# Altium PCB PCB1.PcbDoc (part 1 of 2) (continued)
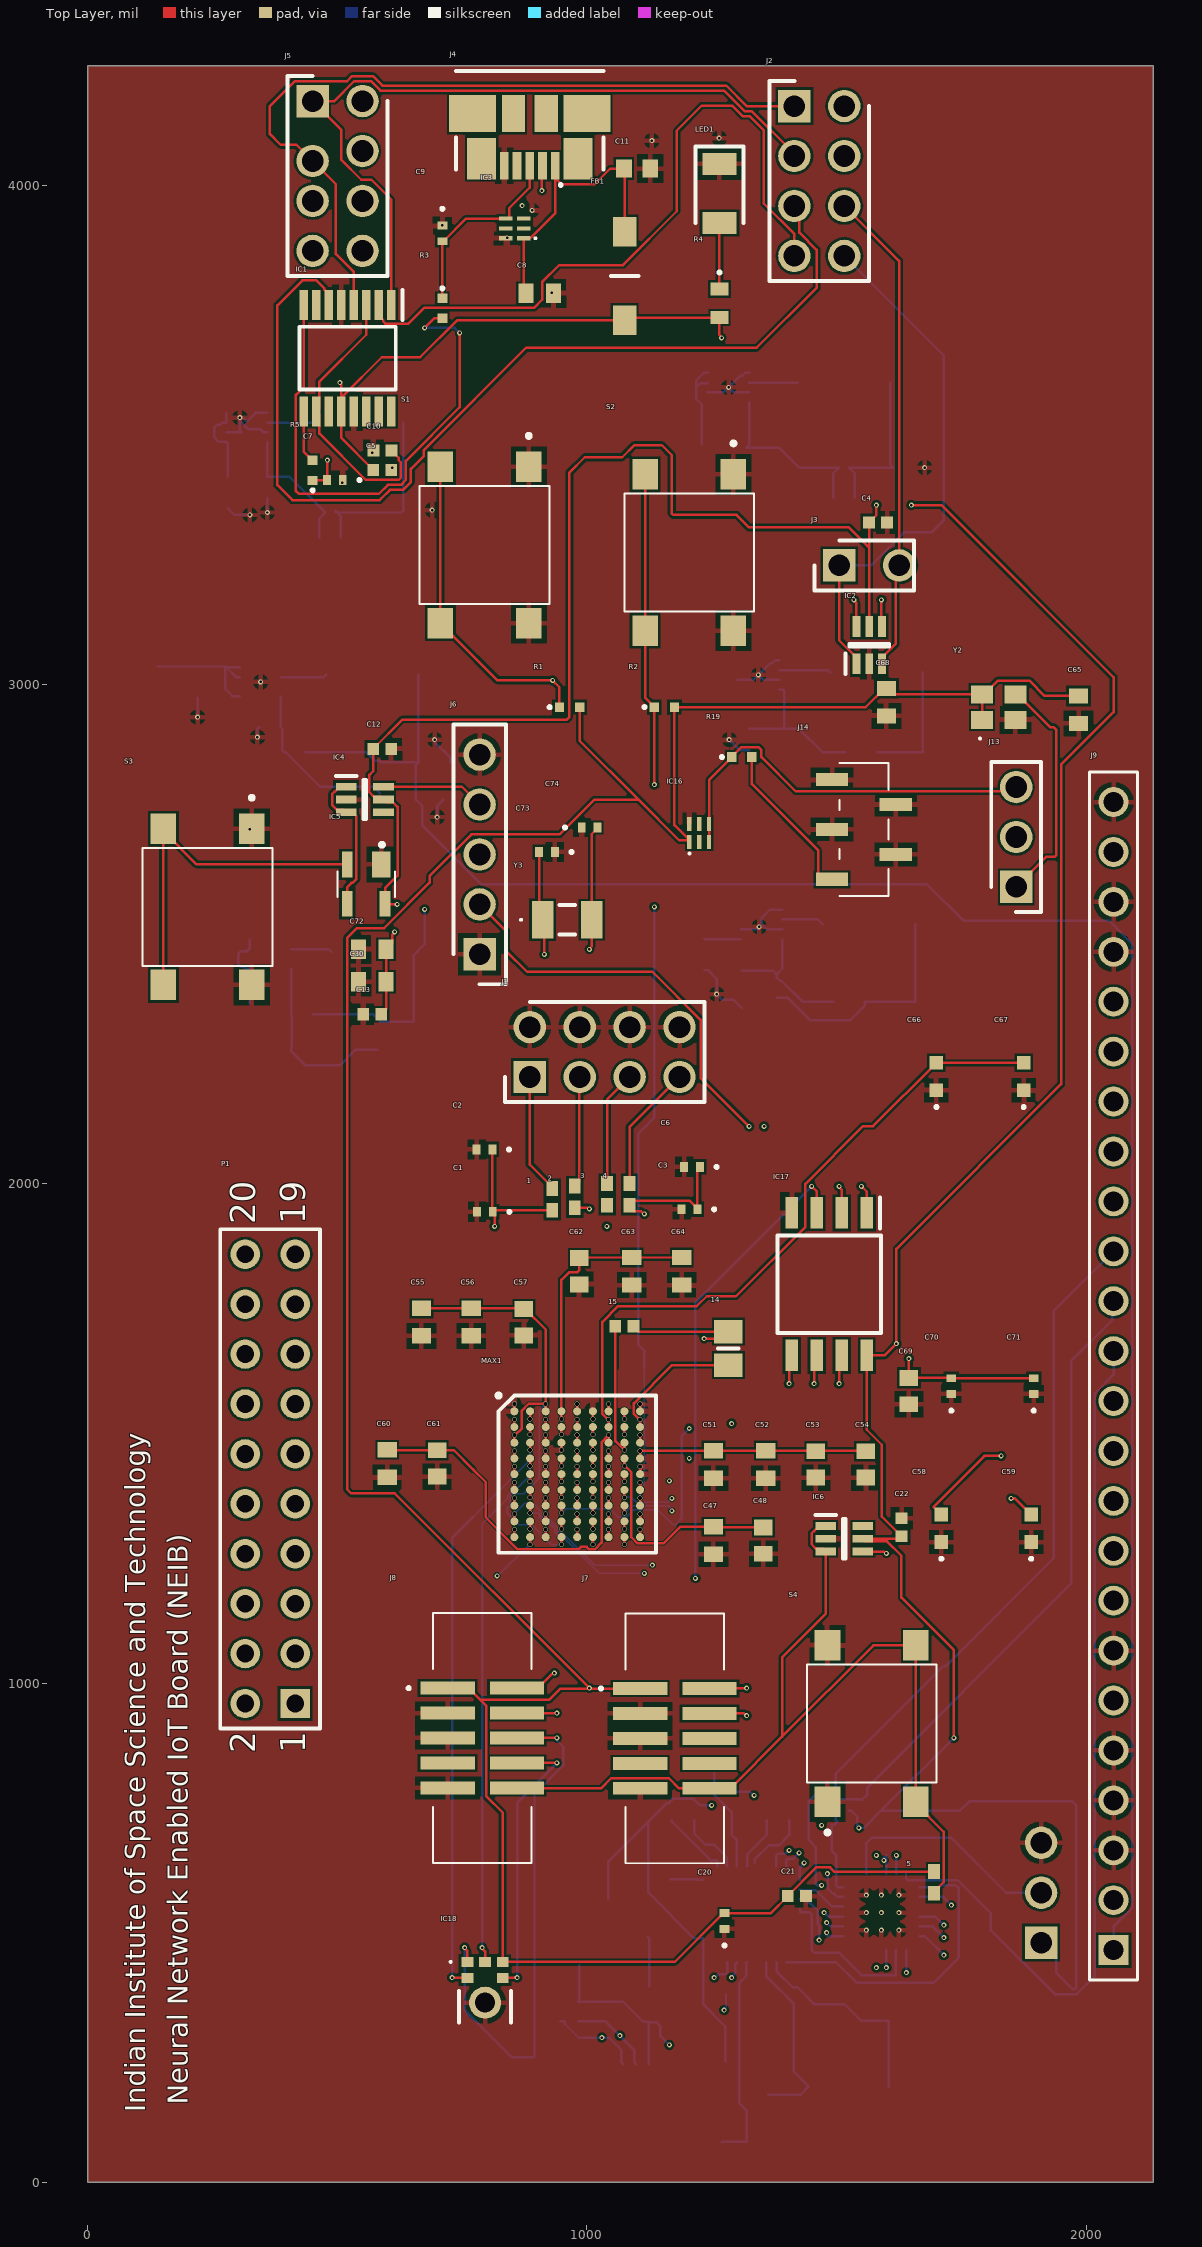
[diagram p0: Top Layer view]
## Footprints (in the part's own frame and the unit in brackets; to place one, negate y for a bottom-side part, rotate by r counter-clockwise, add the part's x,y. Pads: shape width x height; smd on the part's side, far side on the other; paste and mask are expansions set on the pad)
322010030000TR [mm]
  rect 0.65x2.77 smd: 1(-2.54,-1.765) 2(-2.54,1.765) 3(-1.27,-1.765) 4(-1.27,1.765) 5(0,-1.765) 6(0,1.765) 7(1.27,-1.765) 8(1.27,1.765) 9(2.54,-1.765) 10(2.54,1.765)
  silkscreen extent -6.35,-3.8 6.35,2.5, body extent -6.35,-3.09 6.35,3.09, height 5.65
ABM38000MHzD2YT [mm]
  rect 1.9x2.4 smd: 1(-2.05,0) 2(2.05,0)
  silkscreen extent -2.5,-1.6 2.5,1.6, body extent -2.5,-1.6 2.5,1.6, height 1.3
ABS0732768KHZ6T [mm]
  rect 1.1x1.9 smd: 1(-1.25,0) 2(1.25,0)
  silkscreen extent -2.4,-0.75 0.4,0.75
B3S1000P [mm]
  rect 1.55x1.3 smd: 1(3.975,-2.25) 2(-3.975,-2.25) 3(3.975,2.25) 4(-3.975,2.25)
  silkscreen extent -3,-3.3 5.6,3.3
BLM21AG102BH1J [mm]
  rect 0.6x1.25 smd: 1(-0.9,0) 2(0.9,0)
  silkscreen extent 0,-0.53 0,0.53, body extent -1.14,-0.63 1.14,0.63, height 1.15
BLM41PG102SH1L [mm]
  rect 1.5x1.2 smd: 1(-2.25,0) 2(2.25,0)
  silkscreen extent 0,-0.7 0,0.7, body extent -2.88,-0.8 2.88,0.8, height 1.9
C0603_Commercial [mm]
  rect 0.25x0.3 smd: 1(-0.275,0) 2(0.275,0)
  silkscreen extent -0.67,-0.05 -0.58,0.05, body extent -0.38,-0.15 0.38,0.15, height 0.43
C1005_Commercial [mm]
  rect 0.4x0.5 smd: 1(-0.4,0) 2(0.4,0)
  silkscreen extent -1.3,-0.05 -1.2,0.05, body extent -0.56,-0.25 0.56,0.25, height 0.65
C1608_Commercial [mm]
  rect 0.7x0.7 smd: 1(-0.7,0) 2(0.7,0)
  silkscreen extent -1.6,-0.05 -1.5,0.05, body extent -0.8,-0.4 0.8,0.4, height 0.8
CAPC1005X55N [mm]
  rect 0.6x0.62 smd: 1(-0.46,0) 2(0.46,0)
  body extent -0.5,-0.25 0.5,0.25, height 0.55
CAPC1005X56N [mm]
  rect 0.65x0.64 smd: 1(-0.45,0) 2(0.45,0)
  body extent -0.5,-0.25 0.5,0.25, height 0.56
CAPC1608X85N [mil]
  rect 26x37 smd: 1(-28,0) 2(28,0)
  body extent 0,0 69,35
CAPC1608X90N [mm]
  rect 0.81x0.94 smd: 1(-0.67,0) 2(0.67,0)
  body extent -0.8,-0.4 0.8,0.4, height 0.9
CAPC1608X95N [mm]
  rect 0.78x0.98 smd: 1(-0.7,0) 2(0.7,0)
  body extent -0.8,-0.4 0.8,0.4, height 0.95
CAPC2012X70N [mm]
  rect 0.96x1.39 smd: 1(-0.79,0) 2(0.79,0)
  body extent -1,-0.63 1,0.62, height 0.7
CAPC2012X75N [mm]
  rect 0.91x1.39 smd: 1(-0.82,0) 2(0.82,0)
  silkscreen extent 0,-0.53 0,0.53, body extent -1,-0.63 1,0.63, height 0.75
CAPC2012X135N [mm]
  rect 0.91x1.39 smd: 1(-0.82,0) 2(0.82,0)
  silkscreen extent 0,-0.53 0,0.53, body extent -1,-0.63 1,0.62, height 1.35
CAPC2012X140N [mm]
  rect 1.02x1.47 smd: 1(-0.8,0) 2(0.8,0)
  body extent -1,-0.63 1,0.62, height 1.4
ERJ2R_(0402) [mm]
  rect 0.475x0.5 smd: 1(-0.513,0) 2(0.513,0)
  silkscreen extent -1.06,-0.05 -0.96,0.05, body extent -0.5,-0.25 0.5,0.25, height 0.35
ERJ3EK_(0603) [mm]
  rect 0.65x0.9 smd: 1(-0.725,0) 2(0.725,0)
  silkscreen extent -1.62,-0.05 -1.53,0.05, body extent -0.8,-0.4 0.8,0.4, height 0.45
HDR2X10 [mm] "Connector; Header; 10x2 Position"
  rect 1.5x1.5 hole 0.9: 1(0,0)
  round 1.5 hole 0.9: 2(0,2.54) 3(2.54,0) 4(2.54,2.54) 5(5.08,0) 6(5.08,2.54) 7(7.62,0) 8(7.62,2.54) 9(10.16,0) 10(10.16,2.54) 11(12.7,0) 12(12.7,2.54) 13(15.24,0) 14(15.24,2.54) 15(17.78,0) 16(17.78,2.54) 17(20.32,0) 18(20.32,2.54) 19(22.86,0) 20(22.86,2.54)
  silkscreen extent -1.27,-1.27 24.13,3.81
HDRV2W64P0X254_1X2_508X254X838P [mm]
  rect 1.65x1.65 hole 1.1: 1(0,0)
  round 1.65 hole 1.1: 2(3.048,0)
  silkscreen extent -1.27,-1.27 3.81,1.27, body extent -1.27,-1.27 3.81,1.27, height 8.38
HDRV3W64P0X254_1X3_762X254X838P [mm]
  rect 1.65x1.65 hole 1.1: 1(0,0)
  round 1.65 hole 1.1: 2(2.54,0) 3(5.08,0)
  silkscreen extent -1.27,-1.27 6.35,1.27, body extent -1.27,-1.27 6.35,1.27, height 8.38
HDRV5W64P0X254_1X5_1270X254X858P [mm]
  rect 1.65x1.65 hole 1.1: 1(0,0)
  round 1.65 hole 1.1: 2(2.54,0) 3(5.08,0) 4(7.62,0) 5(10.16,0)
  silkscreen extent -1.53,-1.34 11.69,1.34, body extent -1.27,-1.27 11.43,1.27, height 8.58
HDRV8W64P254_2X4_1016X508X838P#1 [mm]
  rect 1.65x1.65 hole 1.1: 1(0,0)
  round 1.65 hole 1.1: 2(0,2.54) 3(2.54,0) 4(2.54,2.54) 5(5.08,0) 6(5.08,2.54) 7(7.62,0) 8(7.62,2.54)
  silkscreen extent -1.27,-1.27 8.89,3.81, body extent -1.27,-1.27 8.89,3.81, height 8.38
HDRV8W64P254_2X4_1016X508X838P#2 [mm]
  rect 1.65x1.65 hole 1.1: 1(0,0)
  round 1.65 hole 1.1: 2(0,2.54) 3(3.048,0) 4(2.54,2.54) 5(5.08,0) 6(5.08,2.54) 7(7.62,0) 8(7.62,2.54)
  silkscreen extent -1.27,-1.27 8.89,3.81, body extent -1.27,-1.27 8.89,3.81, height 8.38
INDC2012X105N [mm]
  rect 1.2x1.45 smd: 1(-0.85,0) 2(0.85,0)
  silkscreen extent 0,-0.53 0,0.53, body extent -1,-0.63 1,0.63, height 1.05
INDPM5552X300N [mm]
  rect 2.05x2.7 smd: 1(-2.35,0) 2(2.35,0)
  silkscreen extent -2.75,-2.59 2.75,2.59, body extent -2.72,-2.57 2.73,2.58, height 2.86
LEDC3216X120N [mm]
  rect 1.1x1.75 smd: 1(-1.5,0) 2(1.5,0)
  silkscreen extent -2.4,-1.22 1.5,1.22
M525050545 [mm]
  rect 0.68x1.65 smd: 1(-2.54,1.625) 2(-1.27,-1.625) 3(0,1.625) 4(1.27,-1.625) 5(2.54,1.625)
  silkscreen extent -3.37,-1.25 3.37,1.25, body extent -3.37,-2.38 3.37,2.38, height 5.8
MAX812REUST [mm]
  rect 0.94x1.31 smd: 1(-0.765,-1)
  rect 0.55x1.31 smd: 2(0.96,-1) 3(0.96,1) 4(-0.96,1)
  silkscreen extent -1.46,-2.1 1.46,0.65, body extent -1.46,-0.65 1.46,0.65, height 1.32
MAX13202EALT [mm]
  rect 0.22x0.7 smd: 1(-0.5,-0.46) 2(0,-0.46) 3(0.5,-0.46) 4(0.5,0.46) 5(0,0.46) 6(-0.5,0.46)
  silkscreen extent -0.55,-1.1 -0.45,-1, body extent -0.75,-0.5 0.75,0.5, height 0.9
MAX13202EALTT [mm]
  rect 0.22x0.7 smd: 1(-0.5,-0.46) 2(0,-0.46) 3(0.5,-0.46) 4(0.5,0.46) 5(0,0.46) 6(-0.5,0.46)
  silkscreen extent -0.6,-1.4 -0.4,-1.2, body extent -0.75,-0.5 0.75,0.5, height 0.9
max78000 [mm]
  round 0.41 smd: A1(-3.2,3.2) A2(-2.4,3.2) A3(-1.6,3.2) A4(-0.8,3.2) A5(0,3.2) A6(0.8,3.2) A7(1.6,3.2) A8(2.4,3.2) A9(3.2,3.2) B1(-3.2,2.4) B2(-2.4,2.4) B3(-1.6,2.4) B4(-0.8,2.4) B5(0,2.4) B6(0.8,2.4) B7(1.6,2.4) B8(2.4,2.4) B9(3.2,2.4) C1(-3.2,1.6) C2(-2.4,1.6) C3(-1.6,1.6) C4(-0.8,1.6) C5(0,1.6) C6(0.8,1.6) C7(1.6,1.6) C8(2.4,1.6) C9(3.2,1.6) D1(-3.2,0.8) D2(-2.4,0.8) D3(-1.6,0.8) D4(-0.8,0.8) D5(0,0.8) D6(0.8,0.8) D7(1.6,0.8) D8(2.4,0.8) D9(3.2,0.8) E1(-3.2,0) E2(-2.4,0) E3(-1.6,0) E4(-0.8,0) E5(0,0) E6(0.8,0) E7(1.6,0) E8(2.4,0) E9(3.2,0) F1(-3.2,-0.8) F2(-2.4,-0.8) F3(-1.6,-0.8) F4(-0.8,-0.8) F5(0,-0.8) F6(0.8,-0.8) F7(1.6,-0.8) F8(2.4,-0.8) F9(3.2,-0.8) G1(-3.2,-1.6) G2(-2.4,-1.6) G3(-1.6,-1.6) G4(-0.8,-1.6) G5(0,-1.6) G6(0.8,-1.6) G7(1.6,-1.6) G8(2.4,-1.6) G9(3.2,-1.6) H1(-3.2,-2.4) H2(-2.4,-2.4) H3(-1.6,-2.4) H4(-0.8,-2.4) H5(0,-2.4) H6(0.8,-2.4) H7(1.6,-2.4) H8(2.4,-2.4) H9(3.2,-2.4) J1(-3.2,-3.2) J2(-2.4,-3.2) J3(-1.6,-3.2) J4(-0.8,-3.2) J5(0,-3.2) J6(0.8,-3.2) J7(1.6,-3.2) J8(2.4,-3.2) J9(3.2,-3.2)
  silkscreen extent -4.1,-4 4,4.1, body extent -4,-4 4,4, height 1.3
QFN50P400X400X80-25N [mm]
  rect 0.85x0.3 smd: 1(-1.95,1.25) 2(-1.95,0.75) 3(-1.95,0.25) 4(-1.95,-0.25) 5(-1.95,-0.75) 6(-1.95,-1.25) 13(1.95,-1.25) 14(1.95,-0.75) 15(1.95,-0.25) 16(1.95,0.25) 17(1.95,0.75) 18(1.95,1.25)
  rect 0.3x0.85 smd: 7(-1.25,-1.95) 8(-0.75,-1.95) 9(-0.25,-1.95) 10(0.25,-1.95) 11(0.75,-1.95) 12(1.25,-1.95) 19(1.25,1.95) 20(0.75,1.95) 21(0.25,1.95) 22(-0.25,1.95) 23(-0.75,1.95) 24(-1.25,1.95)
  rect 2.63x2.63 smd: 25(0,0)
  silkscreen extent -2.5,1.88 -2.25,2.13, body extent -2.05,-2.05 2.05,2.05, height 0.8
QFN50P500X500X90-33N [mm]
  rect 0.85x0.3 smd: 1(-2.45,1.75) 2(-2.45,1.25) 3(-2.45,0.75) 4(-2.45,0.25) 5(-2.45,-0.25) 6(-2.45,-0.75) 7(-2.45,-1.25) 8(-2.45,-1.75) 17(2.45,-1.75) 18(2.45,-1.25) 19(2.45,-0.75) 20(2.45,-0.25) 21(2.45,0.25) 22(2.45,0.75) 23(2.45,1.25) 24(2.45,1.75)
  rect 0.3x0.85 smd: 9(-1.75,-2.45) 10(-1.25,-2.45) 11(-0.75,-2.45) 12(-0.25,-2.45) 13(0.25,-2.45) 14(0.75,-2.45) 15(1.25,-2.45) 16(1.75,-2.45) 25(1.75,2.45) 26(1.25,2.45) 27(0.75,2.45) 28(0.25,2.45) 29(-0.25,2.45) 30(-0.75,2.45) 31(-1.25,2.45) 32(-1.75,2.45)
  rect 3.55x3.55 smd: 33(0,0)
  silkscreen extent -3,2.37 -2.75,2.62, body extent -2.55,-2.55 2.55,2.55, height 0.9
RESC1005X40N [mm]
  rect 0.75x0.6 smd: 1(-0.55,0) 2(0.55,0)
  body extent -0.5,-0.25 0.5,0.25, height 0.4
RESC1608X55N [mm]
  rect 1.1x1 smd: 1(-0.65,0) 2(0.65,0)
  body extent -0.8,-0.4 0.8,0.4, height 0.55
RESC2012X60N [mm]
  rect 0.95x1.4 smd: 1(-0.95,0) 2(0.95,0)
  silkscreen extent 0,-0.53 0,0.53, body extent -1,-0.63 1,0.62, height 0.6
SAMTEC_SSW-124-01-T-S [mil]
  rect 60x60 hole 40: 1(-2300,0)
  round 60 hole 40: 2(-2200,0) 3(-2100,0) 4(-2000,0) 5(-1900,0) 6(-1800,0) 7(-1700,0) 8(-1600,0) 9(-1500,0) 10(-1400,0) 11(-1300,0) 12(-1200,0) 13(-1100,0) 14(-1000,0) 15(-900,0) 16(-800,0) 17(-700,0) 18(-600,0) 19(-500,0) 20(-400,0) 21(-300,0) 22(-200,0) 23(-100,0) 24(0,0)
  silkscreen extent -2360,-48 60,48
SG210STF122880ML3 [mm]
  rect 1.1x0.9 smd: 1(-0.85,-0.65) 2(0.85,-0.65) 3(0.85,0.65) 4(-0.85,0.65)
  silkscreen extent -1,-1.65 -0.9,-1.55, body extent -1.31,-1.01 1.31,1.01, height 1
SOIC127P790X216-8N [mm]
  rect 1.6x0.65 smd: 1(-3.625,1.905) 2(-3.625,0.635) 3(-3.625,-0.635) 4(-3.625,-1.905) 5(3.625,-1.905) 6(3.625,-0.635) 7(3.625,0.635) 8(3.625,1.905)
  silkscreen extent -4.43,-2.64 2.47,2.64
SON50P200X200X80-9N [mm]
  rect 0.7x0.3 smd: 1(-1.05,0.75) 2(-1.05,0.25) 3(-1.05,-0.25) 4(-1.05,-0.75) 5(1.05,-0.75) 6(1.05,-0.25) 7(1.05,0.25) 8(1.05,0.75)
  rect 1x1.7 smd: 9(0,0)
  silkscreen extent -1.53,1.28 -1.28,1.52, body extent -1,-1 1,1, height 0.77
SOP64P599X175-16N [mm]
  rect 1.526x0.435 smd: 1(-2.712,2.222) 2(-2.712,1.588) 3(-2.712,0.952) 4(-2.712,0.318) 5(-2.712,-0.318) 6(-2.712,-0.952) 7(-2.712,-1.588) 8(-2.712,-2.222) 9(2.712,-2.222) 10(2.712,-1.588) 11(2.712,-0.952) 12(2.712,-0.318) 13(2.712,0.318) 14(2.712,0.952) 15(2.712,1.588) 16(2.712,2.222)
  silkscreen extent -3.47,-2.45 1.6,2.79, body extent -3,-2.45 3,2.45, height 1.75
SOT65P210X110-6N [mm]
  rect 1.05x0.4 smd: 1(-0.95,0.65) 2(-0.95,0) 3(-0.95,-0.65) 4(0.95,-0.65) 5(0.95,0) 6(0.95,0.65)
  silkscreen extent -1.48,-1 0.08,1.2, body extent -1.05,-1 1.05,1, height 1.1
SPH0645LM4H18 [mm]
  rect 0.6x0.522 smd: 1(-0.9,2.074) 2(-0.9,1.252) 4(0.9,1.252) 5(0.9,2.074) 6(0,2.074)
  round 1.624 hole 1.024: 3(0,0)
  silkscreen extent -1.8,-1 1.33,2.12, body extent -1.33,-1.04 1.33,2.46, height 1.18
"usb conn" [mm]
  rect 0.45x1.38 smd: 1(1.3,-4.81) 2(0.65,-4.81) 3(0,-4.81) 4(-0.65,-4.81) 5(-1.3,-4.81)
  rect 1.475x2.1 smd: 6(-2.452,-4.45) 7(2.452,-4.45)
  rect 1.175x1.9 smd: 8(0.837,-2.15) 9(-0.837,-2.15)
  rect 2.375x1.9 smd: 10(2.913,-2.15) 11(-2.913,-2.15)
  silkscreen extent -3.75,-5.84 3.75,0, body extent -3.9,-5 3.9,0, height 2.66

## Part data
1 2 3 4: "Resistor", Manufacturer_Name=Panasonic, Mouser Part Number=667-ERJ-2GE0R00X, Arrow Part Number=ERJ-2GE0R00X, Arrow Price/Stock=https://www.arrow.com/en/products/erj2ge0r00x/panasonic, Datasheet Link=http://industrial.panasonic.com/www-cgi/jvcr13pz.cgi?E+PZ+3+AOA0001+ERJ2GE0R00X+7+WW, Height=0.4mm, Manufacturer_Part_Number=ERJ-2GE0R00X, Mouser Price/Stock=https://www.mouser.co.uk/ProductDetail/Panasonic/ERJ-2GE0R00X?qs=Cz%252B5TvT4yly5%252BP7oLZcLxw%3D%3D
5 6 9 10 12 13: "Resistor", Manufacturer_Name="YAGEO (PHYCOMP)", Mouser Part Number=603-RC0402FR-0710KL, Arrow Part Number=RC0402FR-0710KL, Arrow Price/Stock=https://www.arrow.com/en/products/rc0402fr-0710kl/yageo, Datasheet Link=https://datasheet.datasheetarchive.com/originals/distributors/Datasheets_SAMA/902f9e387b938f871d31120f5fc1d65e.pdf, Height=0.4mm, Manufacturer_Part_Number=RC0402FR-0710KL, Mouser Price/Stock=https://www.mouser.co.uk/ProductDetail/YAGEO/RC0402FR-0710KL?qs=I1mnnYJTTsxUoNwrUsQExA%3D%3D
7: "Capacitor", Manufacturer_Name=AVX, Mouser Part Number=581-04025A101F, Arrow Part Number=04025A101FAT2A, Arrow Price/Stock=https://www.arrow.com/en/products/04025a101fat2a/avx, Datasheet Link=http://www.mouser.com/catalog/supplier/library/pdf/AVXSurfaceMountCeramic.pdf, Height=0.56mm, Manufacturer_Part_Number=04025A101FAT2A, Mouser Price/Stock=https://www.mouser.co.uk/ProductDetail/AVX/04025A101FAT2A?qs=MeUoP7zHHrXw8ucaKHqBUA%3D%3D
8: "Resistor", Manufacturer_Name=Panasonic, Mouser Part Number=667-ERJ-2RKF1212X, Datasheet Link=http://industrial.panasonic.com/cdbs/www-data/pdf/RDA0000/AOA0000C304.pdf, Height=0.4mm, Manufacturer_Part_Number=ERJ-2RKF1212X, Mouser Price/Stock=https://www.mouser.co.uk/ProductDetail/Panasonic/ERJ-2RKF1212X?qs=MVjVSMjNRMoqfjL0Oti%252BUw%3D%3D
11: "Resistor", Manufacturer_Name=Panasonic, Mouser Part Number=667-ERJ-2RKF4702X, Arrow Part Number=ERJ-2RKF4702X, Arrow Price/Stock=https://www.arrow.com/en/products/erj-2rkf4702x/panasonic, Datasheet Link=http://industrial.panasonic.com/cdbs/www-data/pdf/RDA0000/AOA0000C304.pdf, Height=0.4mm, Manufacturer_Part_Number=ERJ-2RKF4702X, Mouser Price/Stock=https://www.mouser.co.uk/ProductDetail/Panasonic/ERJ-2RKF4702X?qs=YMBIwoNQYdXNvWEgS7s3Nw%3D%3D
14: "Inductor", Manufacturer_Name=TDK, Mouser Part Number=810-MLP2012H2R2MT0S1, Arrow Part Number=MLP2012H2R2MT0S1, Arrow Price/Stock=https://www.arrow.com/en/products/mlp2012h2r2mt0s1/tdk, Datasheet Link=https://product.tdk.com/system/files/dam/doc/product/inductor/inductor/smd/catalog/inductor_commercial_power_mlp2012_en.pdf, Height=1.05mm, Manufacturer_Part_Number=MLP2012H2R2MT0S1, Mouser Price/Stock=https://www.mouser.co.uk/ProductDetail/TDK/MLP2012H2R2MT0S1?qs=%2FPzWLGNeQ%252BgQ1f6yrO9reg%3D%3D
15: "Capacitor", Manufacturer_Name="Murata Electronics", Mouser Part Number=81-GRM155R71H332KA1J, Datasheet Link=https://datasheet.datasheetarchive.com/originals/distributors/Datasheets_SAMA/ec4f1577dddcc7a13ddad897a28002d3.pdf, Height=0.55mm, Manufacturer_Part_Number=GRM155R71H332KA01J, Mouser Price/Stock=https://www.mouser.com/Search/Refine.aspx?Keyword=81-GRM155R71H332KA1J
C1 C2 C3 C6 C7 C9 C20 C70 C71 C73 C74: "Capacitor", Manufacturer_Name=TDK, Mouser Part Number=810-C1005C0G1H470F, Datasheet Link=https://product.tdk.com/system/files/dam/doc/product/capacitor/ceramic/mlcc/catalog/mlcc_commercial_general_en.pdf, Height=0.55mm, Manufacturer_Part_Number=C1005C0G1H470F050BA, Mouser Price/Stock=https://www.mouser.com/Search/Refine.aspx?Keyword=810-C1005C0G1H470F
C4 C5 C10 C12 C13 C21 C22: "Capacitor", Manufacturer_Name="Murata Electronics", Mouser Part Number=N/A, Arrow Part Number=GRM155R71C104KA88D, Arrow Price/Stock=https://www.arrow.com/en/products/grm155r71c104ka88d/murata-manufacturing?region=nac, Datasheet Link=https://datasheet.datasheetarchive.com/originals/distributors/Datasheets_SAMA/ec4f1577dddcc7a13ddad897a28002d3.pdf, Height=0.55mm, Manufacturer_Part_Number=GRM155R71C104KA88D
C8 C27 C30 C33 C34 C42 C47 C49 C51 C52 C55 C56 C60 C63 C64 C65 C68 C72: "Capacitor", Manufacturer_Name=Kemet, Mouser Part Number=80-C0603C104K5R, Arrow Part Number=C0603C104K5RACTU, Arrow Price/Stock=https://www.arrow.com/en/products/c0603c104k5ractu/kemet-corporation?region=nac, Datasheet Link=http://www.farnell.com/datasheets/2205446.pdf, Height=0.95mm, Manufacturer_Part_Number=C0603C104K5RACTU, Mouser Price/Stock=https://www.mouser.co.uk/ProductDetail/KEMET/C0603C104K5RACTU?qs=l5k%252BbMnNDkkVcnZPSAaaiQ%3D%3D
C11 C41 C43 C48 C53 C54 C57 C61 C62 C69: "Capacitor", Manufacturer_Name="TAIYO YUDEN", Mouser Part Number=963-GMK107BJ105KA-T, Datasheet Link=https://datasheet.datasheetarchive.com/originals/distributors/Datasheets-DGA10/2404957.pdf, Height=0.9mm, Manufacturer_Part_Number=GMK107BJ105KA-T, Mouser Price/Stock=https://www.mouser.co.uk/ProductDetail/Taiyo-Yuden/GMK107BJ105KA-T?qs=I6KAKw0tg2ykHAqS8PSP9Q%3D%3D
C14 C15 C16 C17 C23 C24 C25 C26 C35 C36 C37 C38: "Capacitor", Manufacturer_Name=Kemet, Mouser Part Number=80-C0805C106K8P, Arrow Part Number=C0805C106K8PACTU, Arrow Price/Stock=https://www.arrow.com/en/products/c0805c106k8pactu/kemet-corporation, Datasheet Link=https://www.arrow.com/en/products/c0805c106k8pactu/kemet-corporation, Height=1.4mm, Manufacturer_Part_Number=C0805C106K8PACTU, Mouser Price/Stock=https://www.mouser.co.uk/ProductDetail/KEMET/C0805C106K8PACTU?qs=Zpyg6gQUYs39C21BeavaKA%3D%3D
C18 C19: "Capacitor", Manufacturer_Name="YAGEO (PHYCOMP)", Mouser Part Number=603-CC805JRNPO9BN120, Arrow Part Number=CC0805JRNPO9BN120, Arrow Price/Stock=https://www.arrow.com/en/products/cc0805jrnpo9bn120/yageo, Datasheet Link=https://www.mouser.com/datasheet/2/447/UPY-GP_NP0_16V-to-50V_16-1109089.pdf, Height=0.7mm, Manufacturer_Part_Number=CC0805JRNPO9BN120, Mouser Price/Stock=https://www.mouser.co.uk/ProductDetail/YAGEO/CC0805JRNPO9BN120?qs=AgBp2OyFlx%252ByU%252BlCha9FzQ%3D%3D
C28 C29: "Capacitor", Manufacturer_Name="Samsung Electro-Mechanics"
  C28: Datasheet Link=http://product.samsungsem.com/mlcc/CL21C330JBANNW.do, Height=0.75mm, Manufacturer_Part_Number=CL21C330JBANNNC
  C29: Arrow Part Number=CL21C180JBANNNC, Arrow Price/Stock=https://www.arrow.com/en/products/cl21c180jbannnc/samsung-electro-mechanics, Datasheet Link=https://datasheet.datasheetarchive.com/originals/distributors/Datasheets_SAMA/704d9ee6c0360fd977a3c31d735d98ca.pdf, Height=1.35mm, Manufacturer_Part_Number=CL21C180JBANNNC
C31 C32 C50: "Capacitor", Manufacturer_Name=Kemet, Mouser Part Number=80-C0603C475K8P, Arrow Part Number=C0603C475K8PACTU, Arrow Price/Stock=https://www.arrow.com/en/products/c0603c475k8pactu/kemet-corporation, Datasheet Link=http://componentsearchengine.com/Datasheets/1/C0603C475K8PACTU.pdf, Manufacturer_Part_Number=C0603C475K8PACTU, Mouser Price/Stock=https://www.mouser.co.uk/ProductDetail/KEMET/C0603C475K8PACTU?qs=K%2Fj%2Fqf%252B0fqK6lAUxhlPmKA%3D%3D
C39 C40: "Capacitor", Manufacturer_Name=TDK, Datasheet Link=https://product.tdk.com/system/files/dam/doc/product/capacitor/ceramic/mlcc/catalog/mlcc_commercial_general_en.pdf, Height=0.33mm, Manufacturer_Part_Number=C0603C0G1H680K030BA
C44: "Capacitor", Manufacturer_Name="Murata Electronics", Mouser Part Number=81-GRM155R61A474KE5J, Arrow Part Number=GRM155R61A474KE15J, Arrow Price/Stock=https://www.arrow.com/en/products/grm155r61a474ke15j/murata-manufacturing, Datasheet Link=https://datasheet.datasheetarchive.com/originals/distributors/Datasheets_SAMA/ec4f1577dddcc7a13ddad897a28002d3.pdf, Height=0.55mm, Manufacturer_Part_Number=GRM155R61A474KE15J, Mouser Price/Stock=https://www.mouser.co.uk/ProductDetail/Murata-Electronics/GRM155R61A474KE15J?qs=vlRPwuE0P7lseeNiDfG%252BAQ%3D%3D
C45 C46: "Capacitor", Manufacturer_Name="Murata Electronics", Mouser Part Number=81-GRM1555C1H270JA1D, Arrow Part Number=GRM1555C1H270JA01D, Arrow Price/Stock=https://www.arrow.com/en/products/grm1555c1h270ja01d/murata-manufacturing, Datasheet Link=https://datasheet.datasheetarchive.com/originals/distributors/Datasheets_SAMA/ec4f1577dddcc7a13ddad897a28002d3.pdf, Height=0.55mm, Manufacturer_Part_Number=GRM1555C1H270JA01D, Mouser Price/Stock=https://www.mouser.co.uk/ProductDetail/Murata-Electronics/GRM1555C1H270JA01D?qs=4k9rjS6ZRl6bZIQOxCwSeQ%3D%3D
C58 C59 C66 C67: "Capacitor", Manufacturer_Name=TDK, Mouser Part Number=810-C1608X5R0J226M, Arrow Part Number=C1608X5R0J226M080AC, Arrow Price/Stock=https://www.arrow.com/en/products/c1608x5r0j226m080ac/tdk, Datasheet Link=https://product.tdk.com/system/files/dam/doc/product/capacitor/ceramic/mlcc/catalog/mlcc_commercial_general_en.pdf, Height=0.9mm, Manufacturer_Part_Number=C1608X5R0J226M080AC, Mouser Price/Stock=https://www.mouser.co.uk/ProductDetail/TDK/C1608X5R0J226M080AC?qs=NRhsANhppD%2FZwGFVoUm6mQ%3D%3D
FB1: "Ferrite Bead", Manufacturer_Name="Murata Electronics", Mouser Part Number=81-BLM41PG102SN1L, Arrow Part Number=BLM41PG102SN1L, Arrow Price/Stock=https://www.arrow.com/en/products/blm41pg102sn1l/murata-manufacturing, Datasheet Link=https://www.murata.com/en-us/products/productdetail?partno=BLM41PG102SN1%23, Height=1.8mm, Manufacturer_Part_Number=BLM41PG102SN1L, Mouser Price/Stock=https://www.mouser.co.uk/ProductDetail/Murata-Electronics/BLM41PG102SN1L?qs=%252Bi%252B2JQhhbn3KYzONFOUA%2Fg%3D%3D
FL1: "Filter", Manufacturer_Name="Murata Electronics", Mouser Part Number=81-BLM21AG121SN1D, Arrow Part Number=BLM21AG121SN1D, Arrow Price/Stock=https://www.arrow.com/en/products/blm21ag121sn1d/murata-manufacturing?region=europe, Datasheet Link=https://www.murata.com/en-us/products/productdetail?partno=BLM21AG121SN1%23, Height=1.05mm, Manufacturer_Part_Number=BLM21AG121SN1D, Mouser Price/Stock=https://www.mouser.co.uk/ProductDetail/Murata-Electronics/BLM21AG121SN1D/?qs=Yx1HeqtvVDh3I5YNpjdt%252BQ%3D%3D
IC1: "Integrated Circuit", Manufacturer_Name="FTDI Chip", Mouser Part Number=895-FT230XS-R, Arrow Part Number=FT230XS-R, Arrow Price/Stock=http://www.arrow.com/en/products/ft230xs-r/ftdi-chip, Datasheet Link=http://www.ftdichip.com/Support/Documents/DataSheets/ICs/DS_FT230X.pdf, Height=1.753mm, Manufacturer_Part_Number=FT230XS-R, Mouser Price/Stock=https://www.mouser.co.uk/ProductDetail/FTDI/FT230XS-R?qs=Gp1Yz1mis3XyCLeYOseSng%3D%3D
IC2 IC4 IC6: "Integrated Circuit", Manufacturer_Name="ON Semiconductor", Mouser Part Number=863-NL27WZ07DFT2G, Arrow Part Number=NL27WZ07DFT2G, Arrow Price/Stock=https://www.arrow.com/en/products/nl27wz07dft2g/on-semiconductor?region=nac, Datasheet Link=https://www.onsemi.com/pdf/datasheet/nl27wz07-d.pdf, Height=1.1mm, Manufacturer_Part_Number=NL27WZ07DFT2G, Mouser Price/Stock=https://www.mouser.com/Search/Refine.aspx?Keyword=863-NL27WZ07DFT2G
IC3 IC16: "Integrated Circuit", Manufacturer_Name="Maxim Integrated", Datasheet Link=https://pdfserv.maximintegrated.com/en/ds/MAX13202E-MAX13208E.pdf, Height=0.8mm, Manufacturer_Part_Number=MAX13202EALT+
IC5: "Integrated Circuit", Manufacturer_Name="Maxim Integrated", Mouser Part Number=700-MAX6816EUST, Datasheet Link=http://datasheets.maximintegrated.com/en/ds/MAX6816-MAX6818.pdf, Height=1.22mm, Manufacturer_Part_Number=MAX6816EUS+T, Mouser Price/Stock=https://www.mouser.co.uk/ProductDetail/Maxim-Integrated/MAX6816EUS%2bT?qs=1THa7WoU59EAx6vXEummCg%3D%3D